# Altium PCB node24.PcbDoc (part 1 of 10)
Units mm, origin at the board's own origin, x right, y up, seen from the top; angles counter-clockwise.
Board outline 177.92 x 177.92 mm, 6 copper layers (L1 - Signal 1 (Top), L2 - Signal 2, L3 - Ground, L4 - Power, L5 - Signal 3, L6 - Signal 4 (Bot)), stack 1.511 mm thick; 721 components, 595 nets, 2782 pads, 2075 vias.
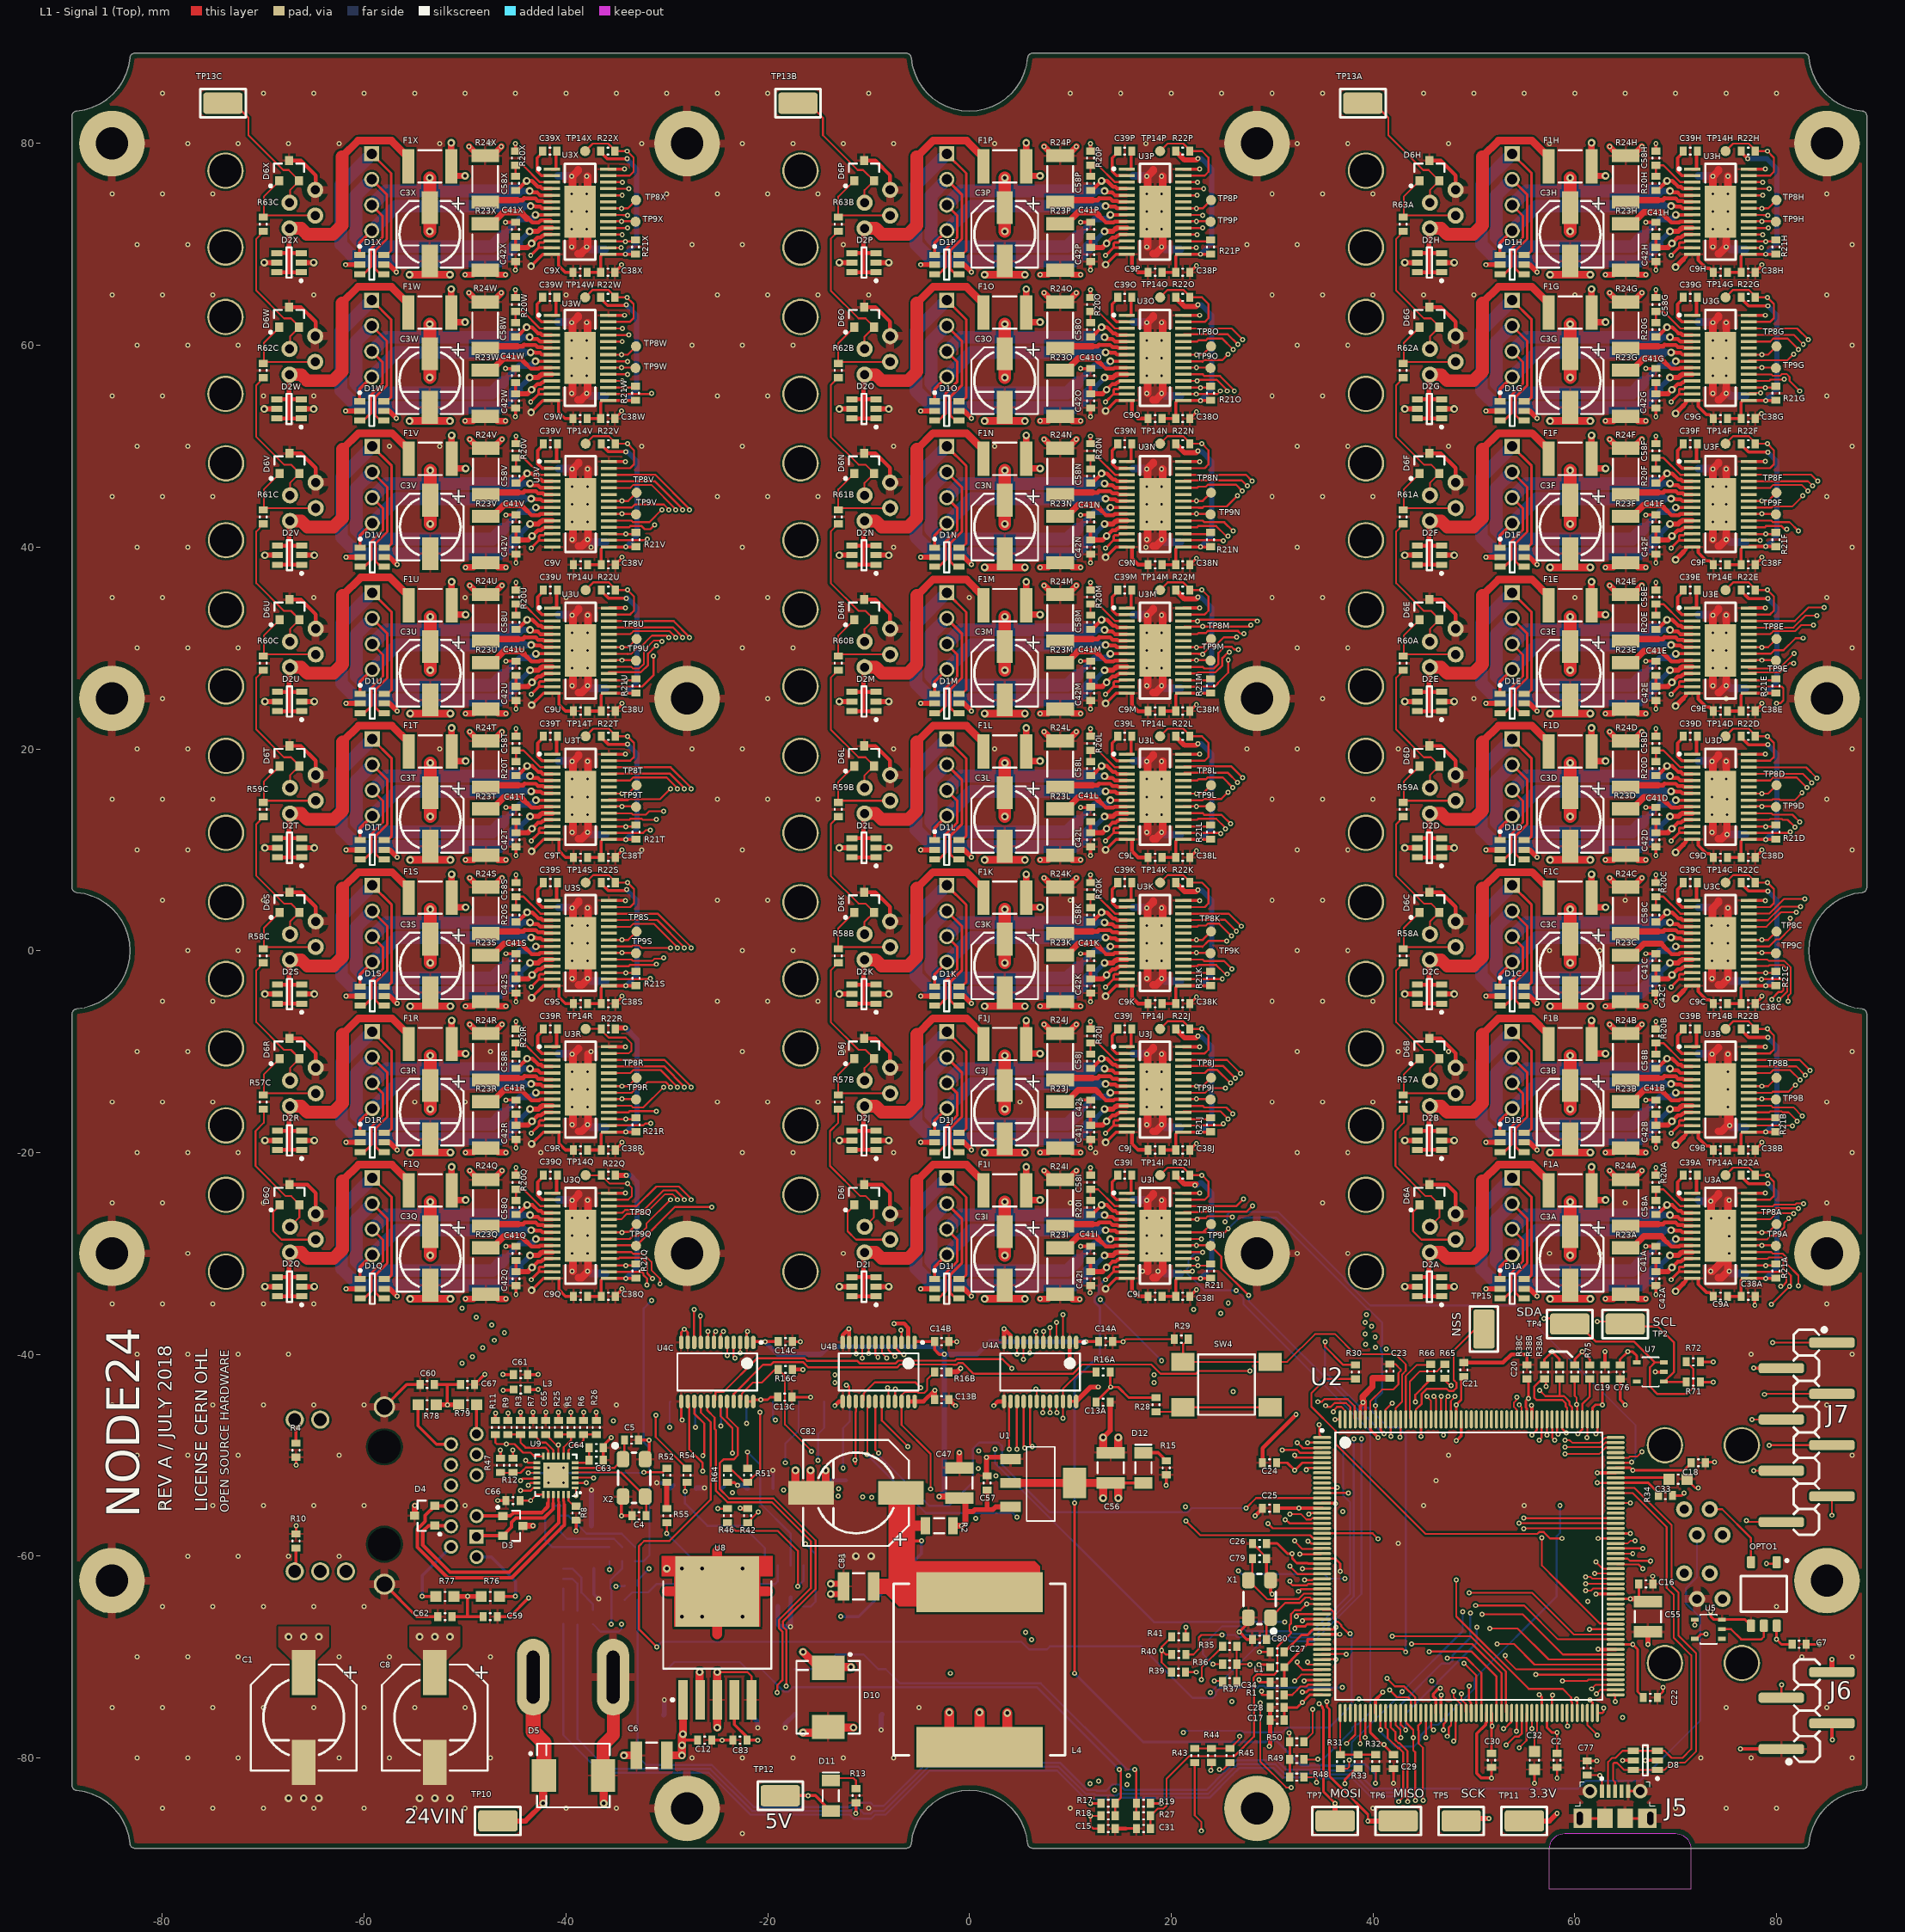
[diagram p0: L1 - Signal 1 (Top) view]
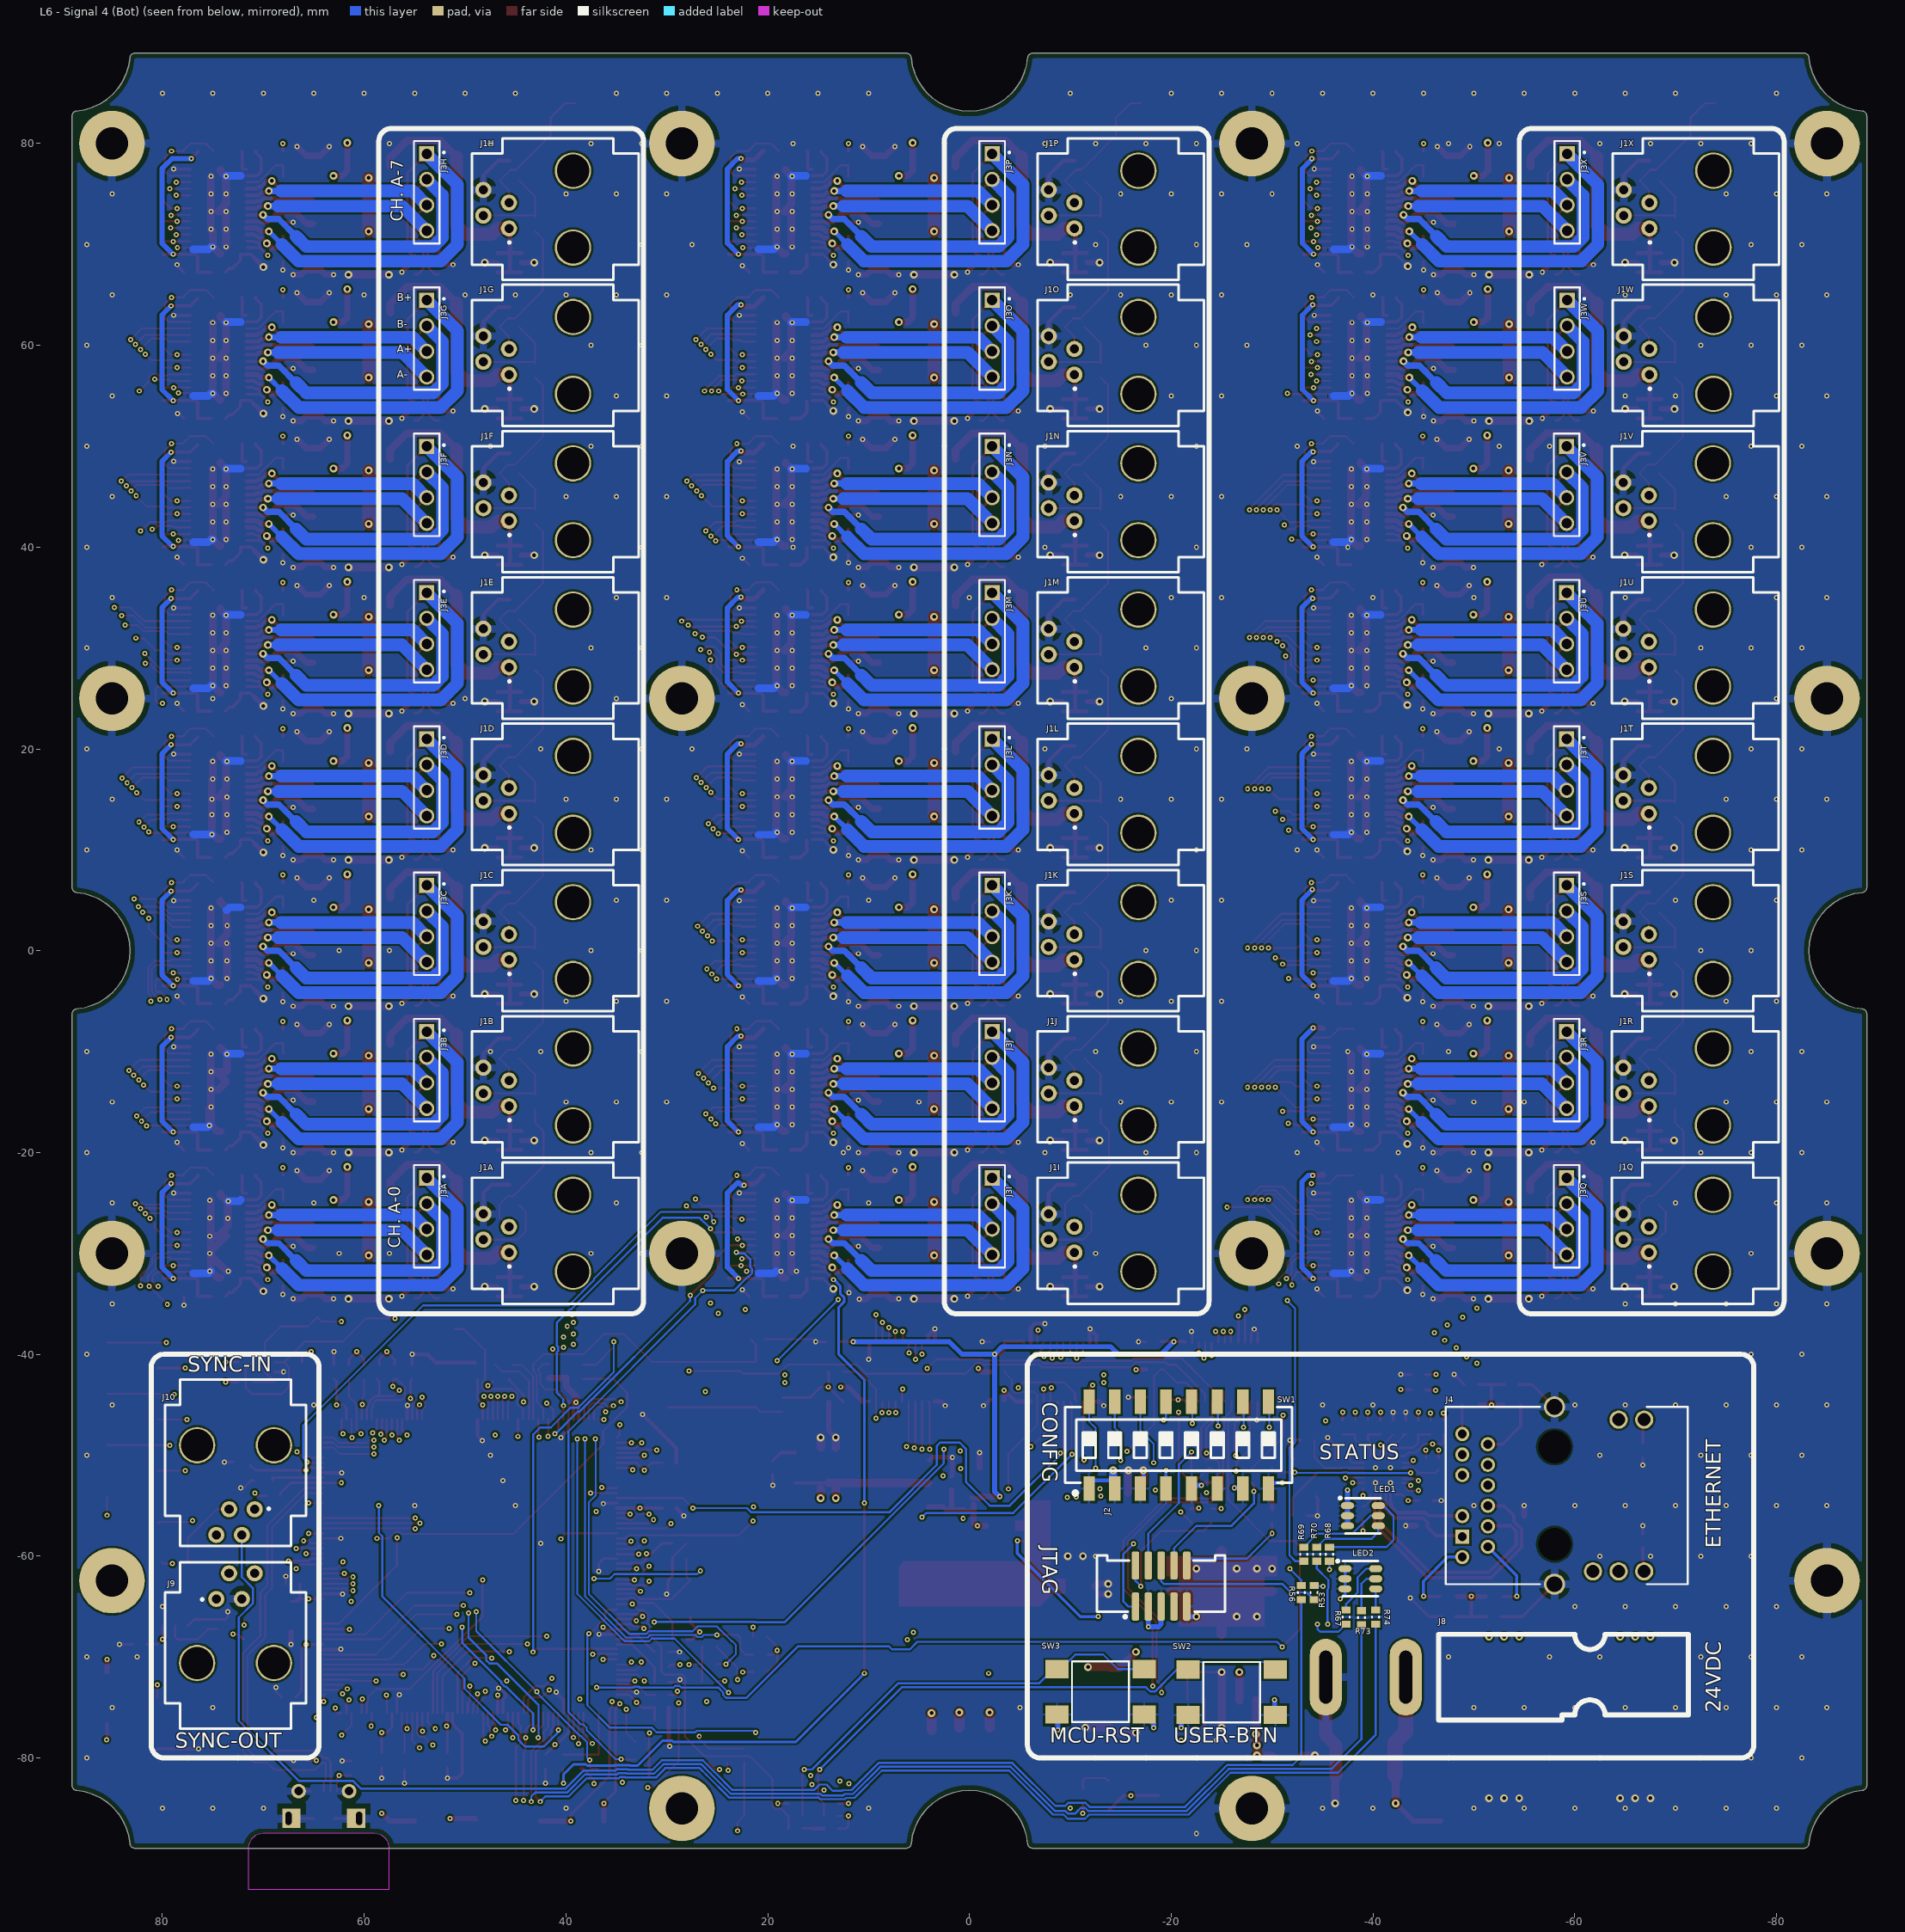
[diagram p1: L6 - Signal 4 (Bot) view, seen from below]
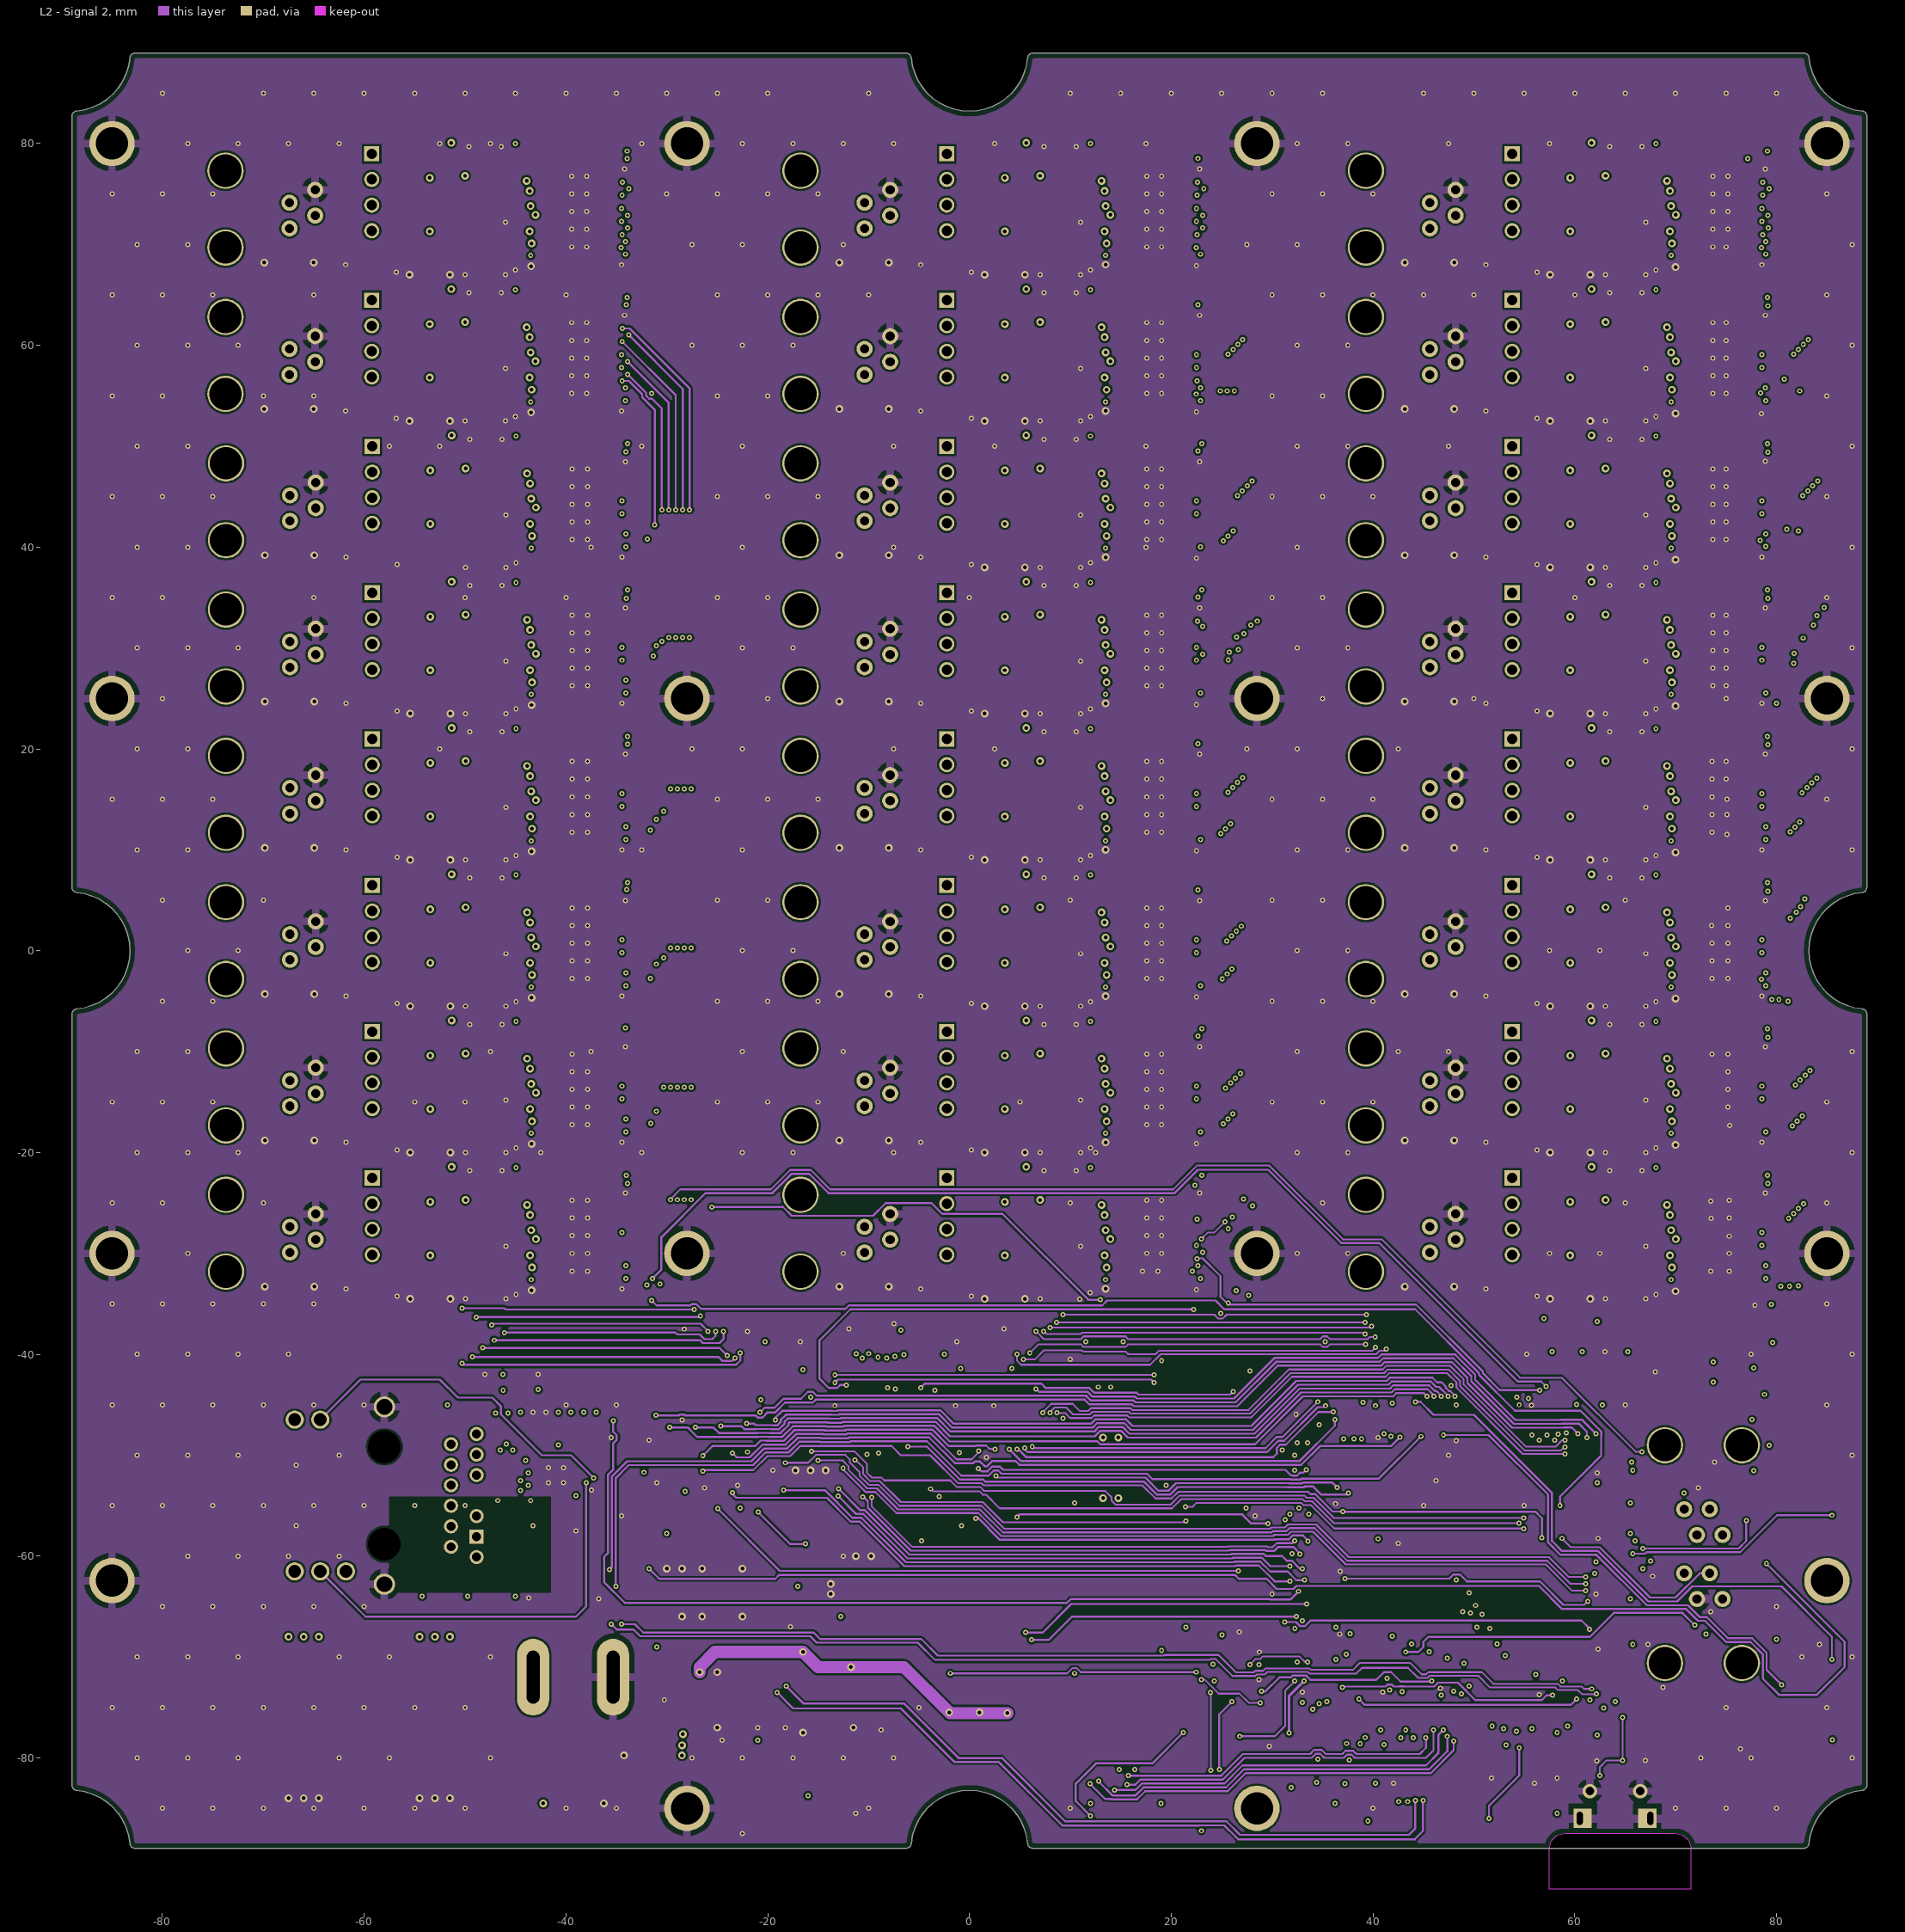
[diagram p2: L2 - Signal 2]
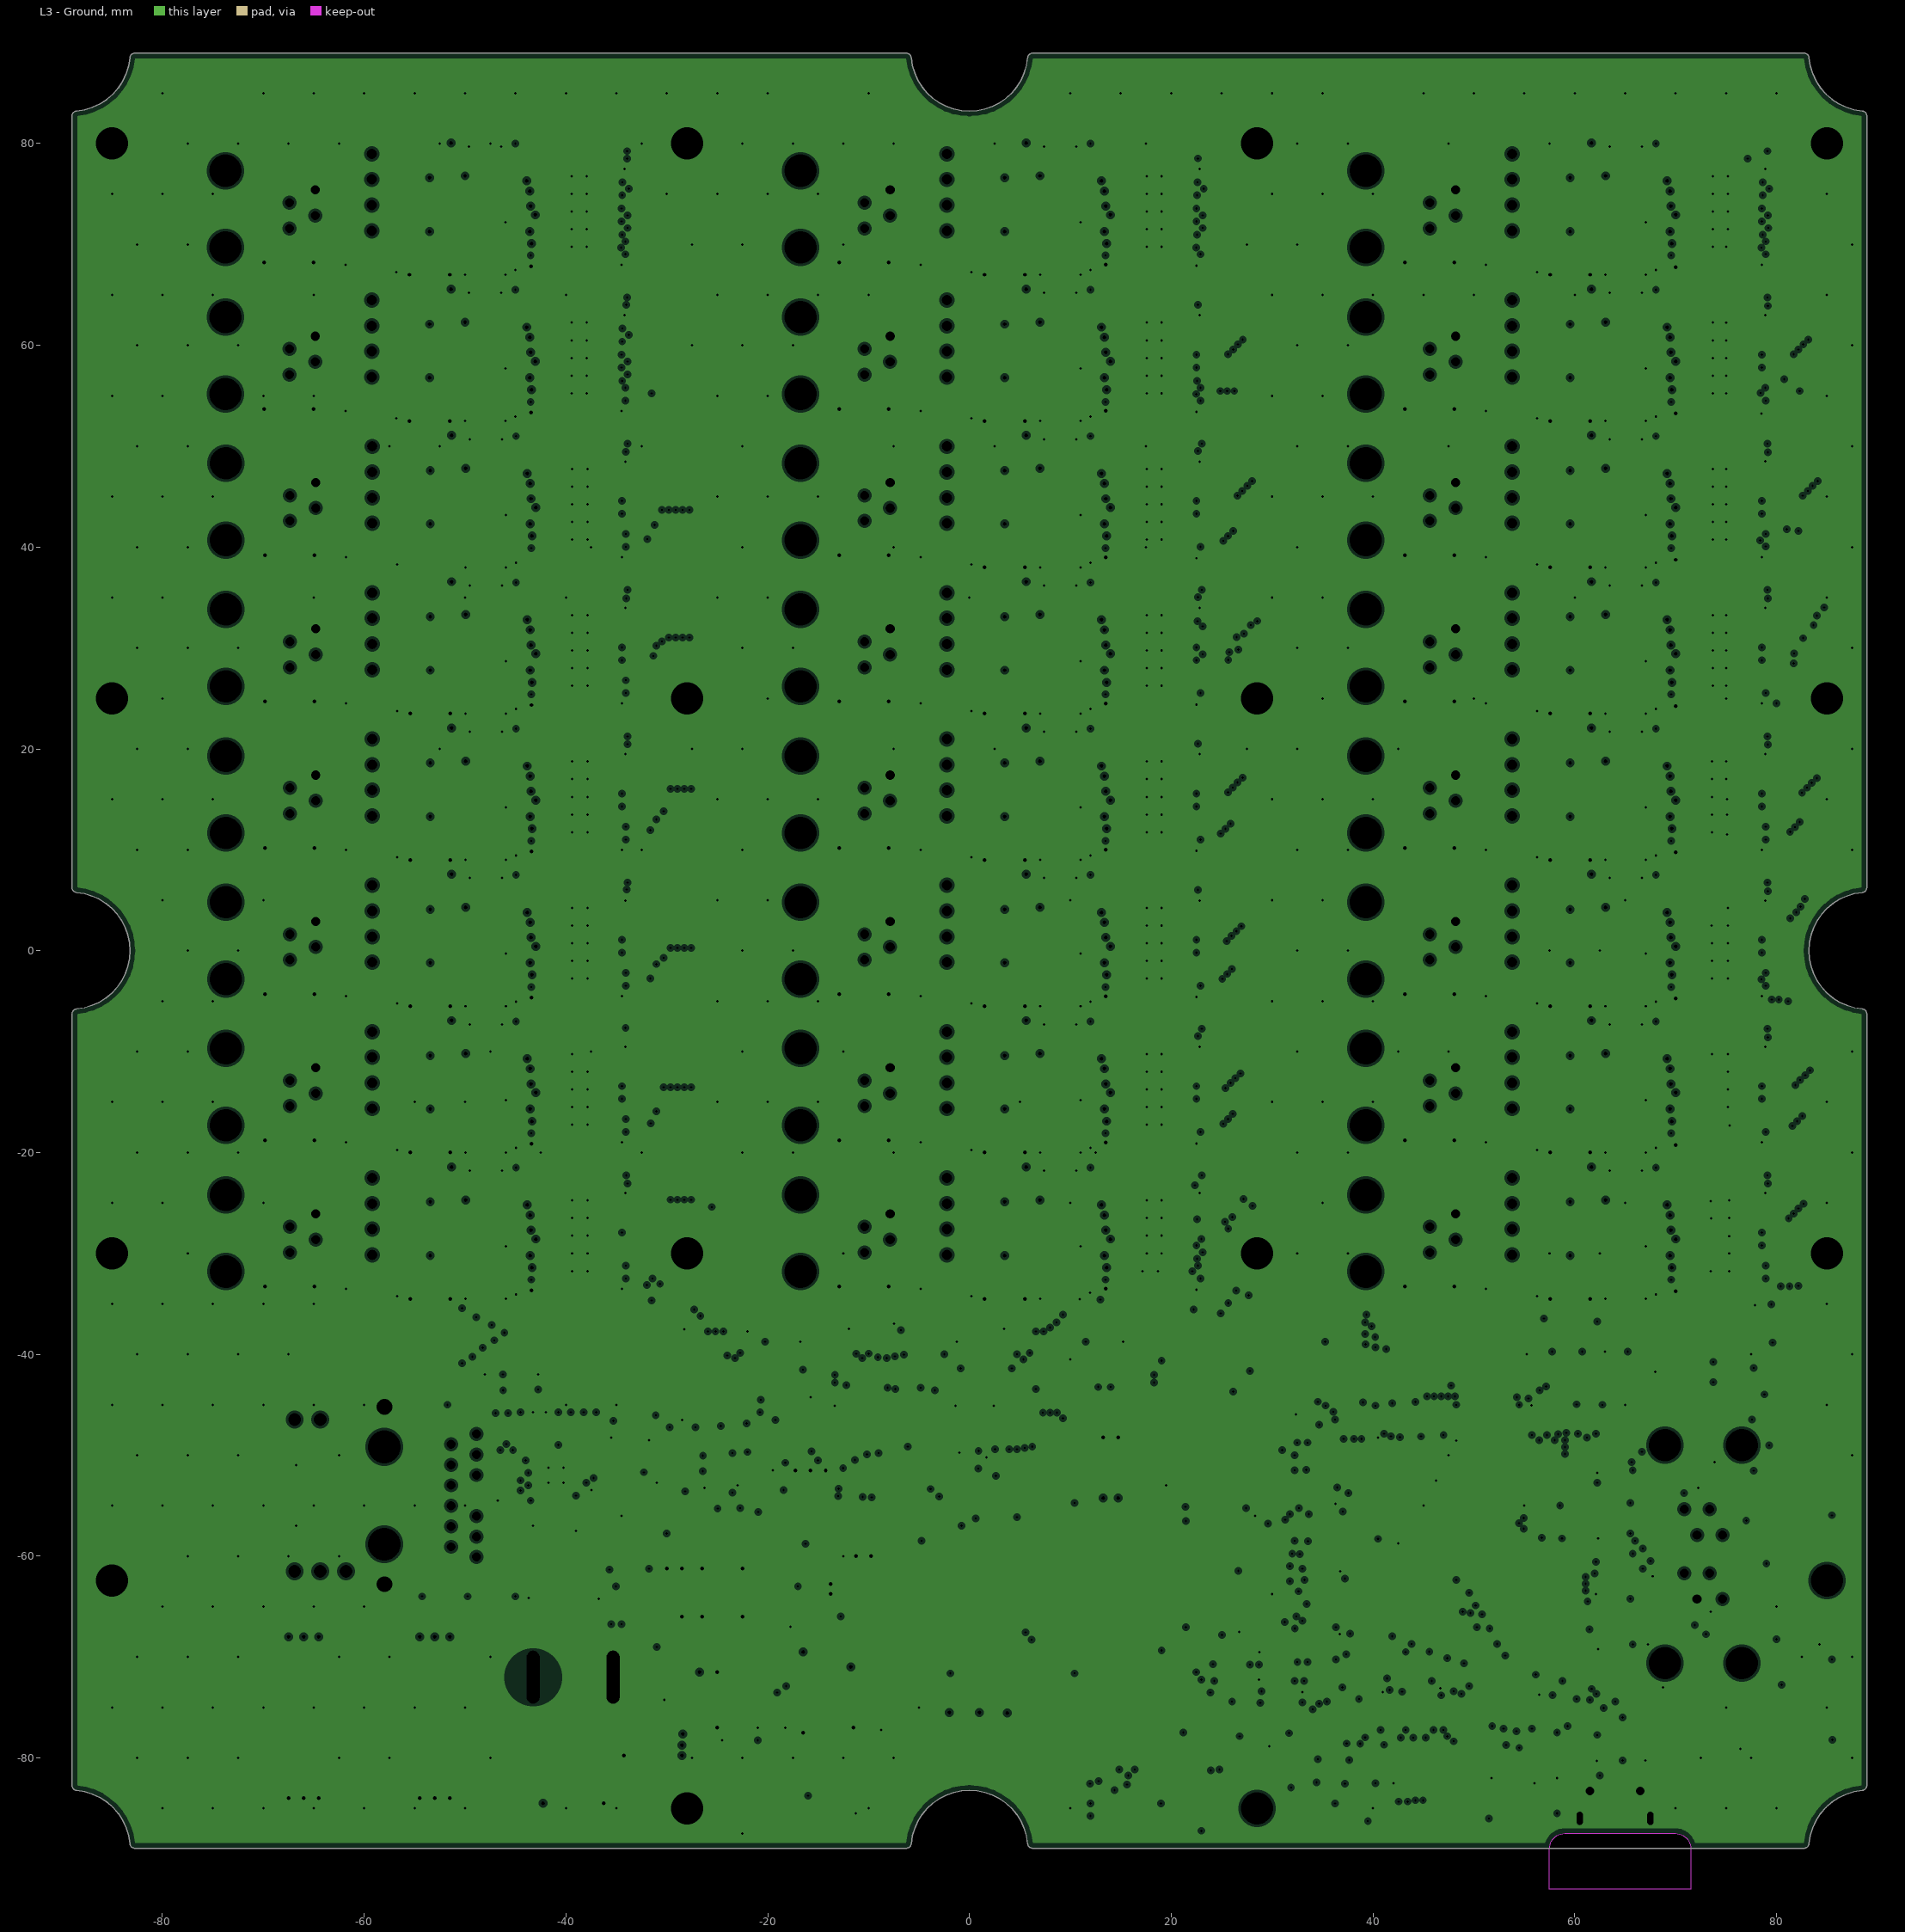
[diagram p3: L3 - Ground, clearances drawn from the general rule]